# KiCad board Final H00 panelicad_pcb.kicad_pcb
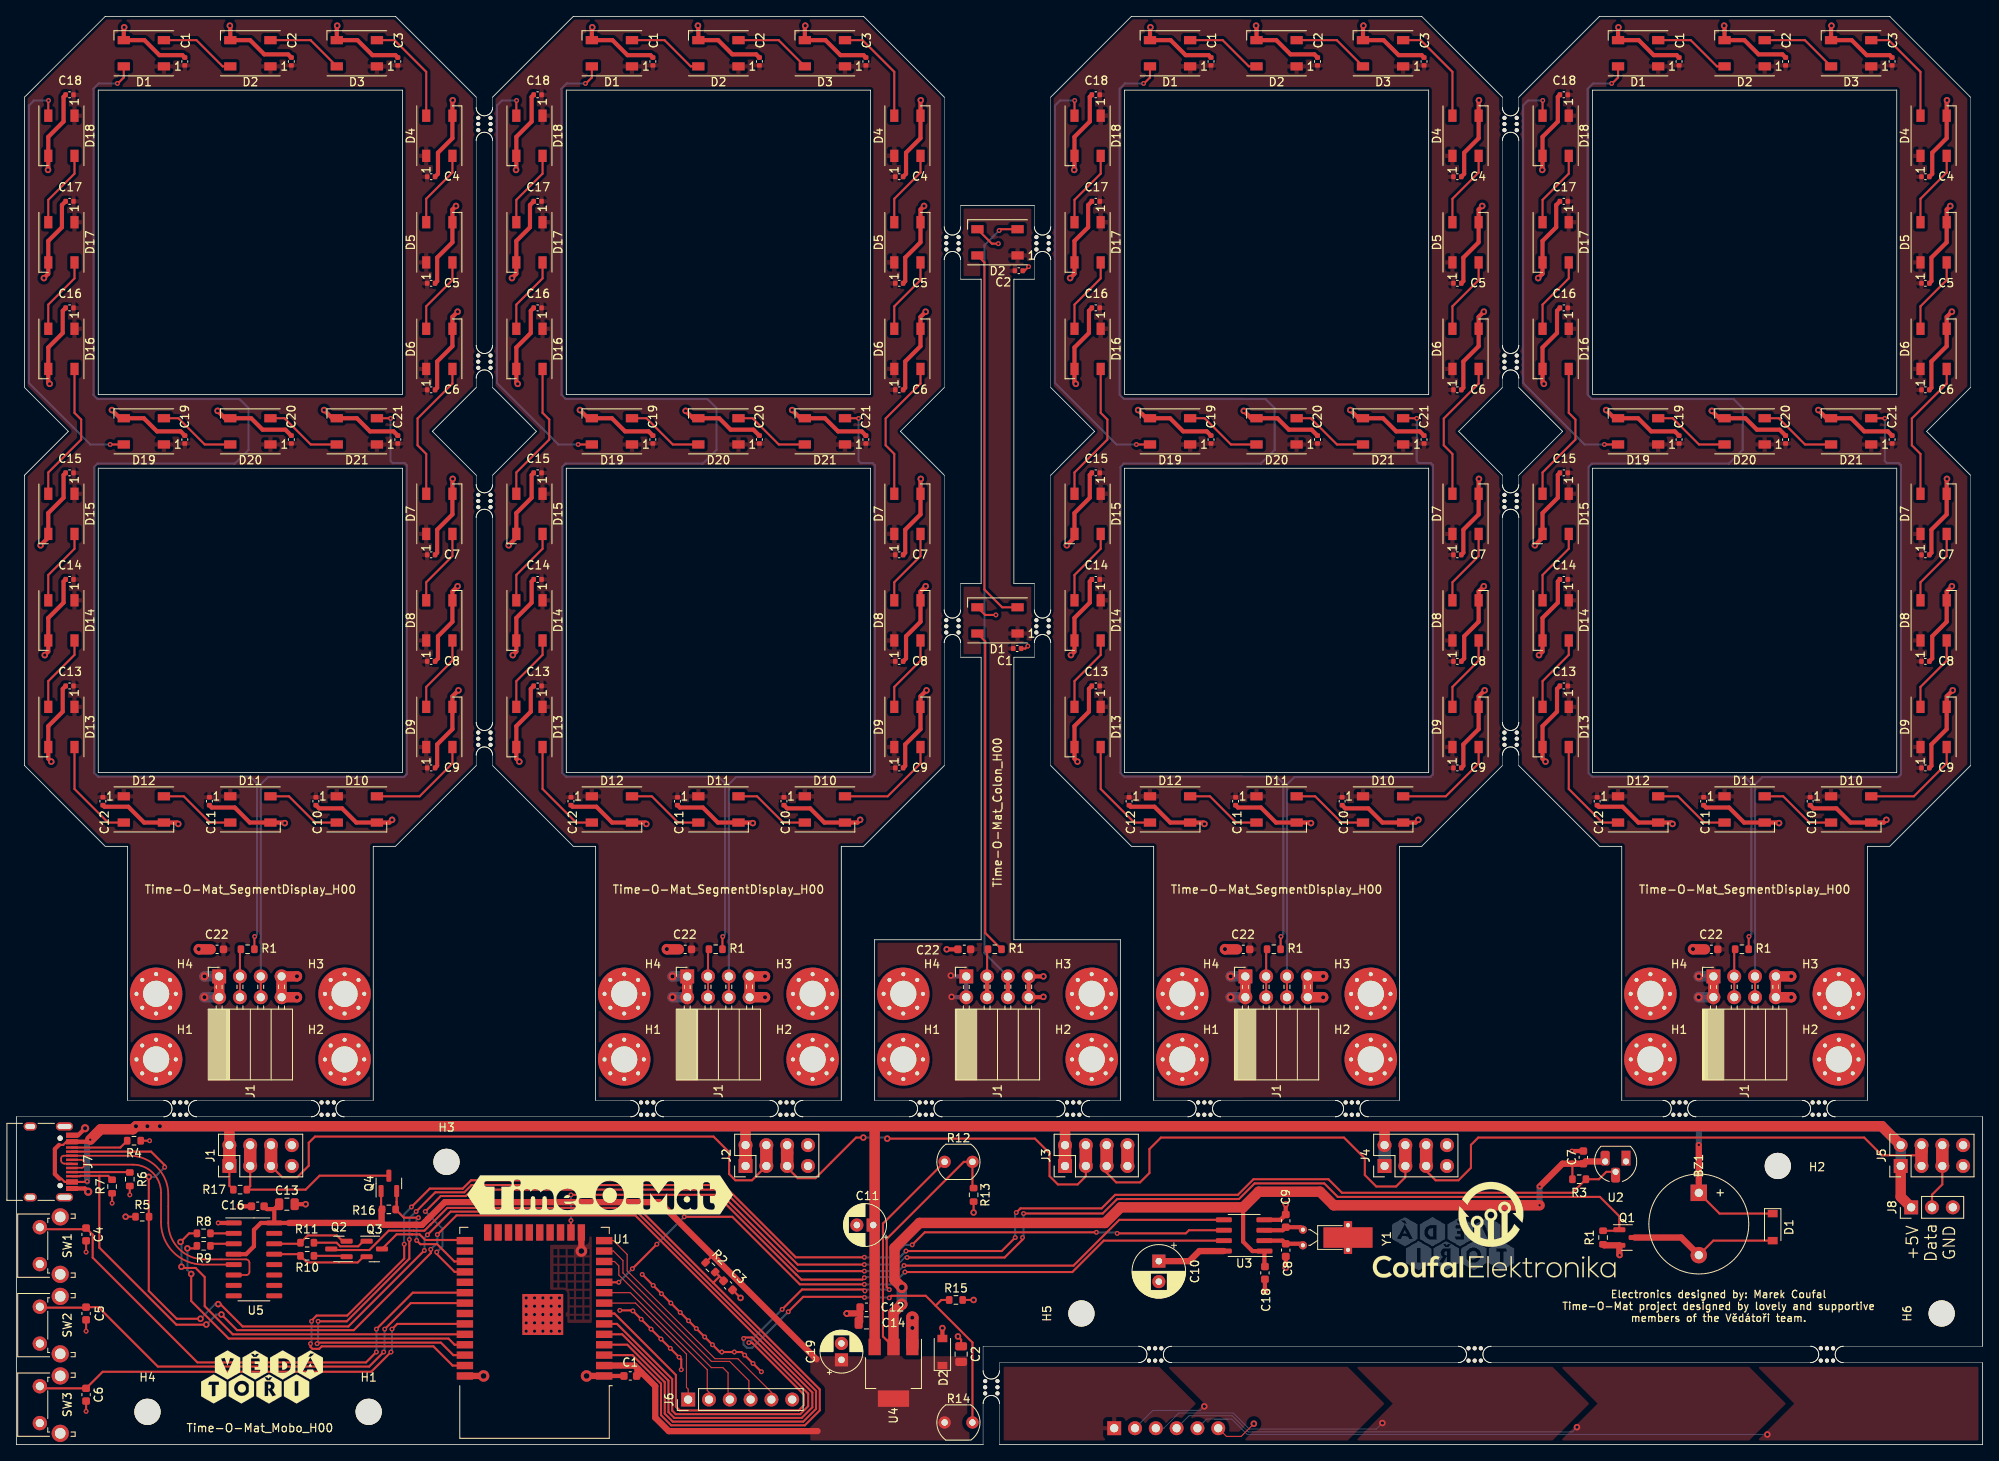
[diagram p0: board, top side]
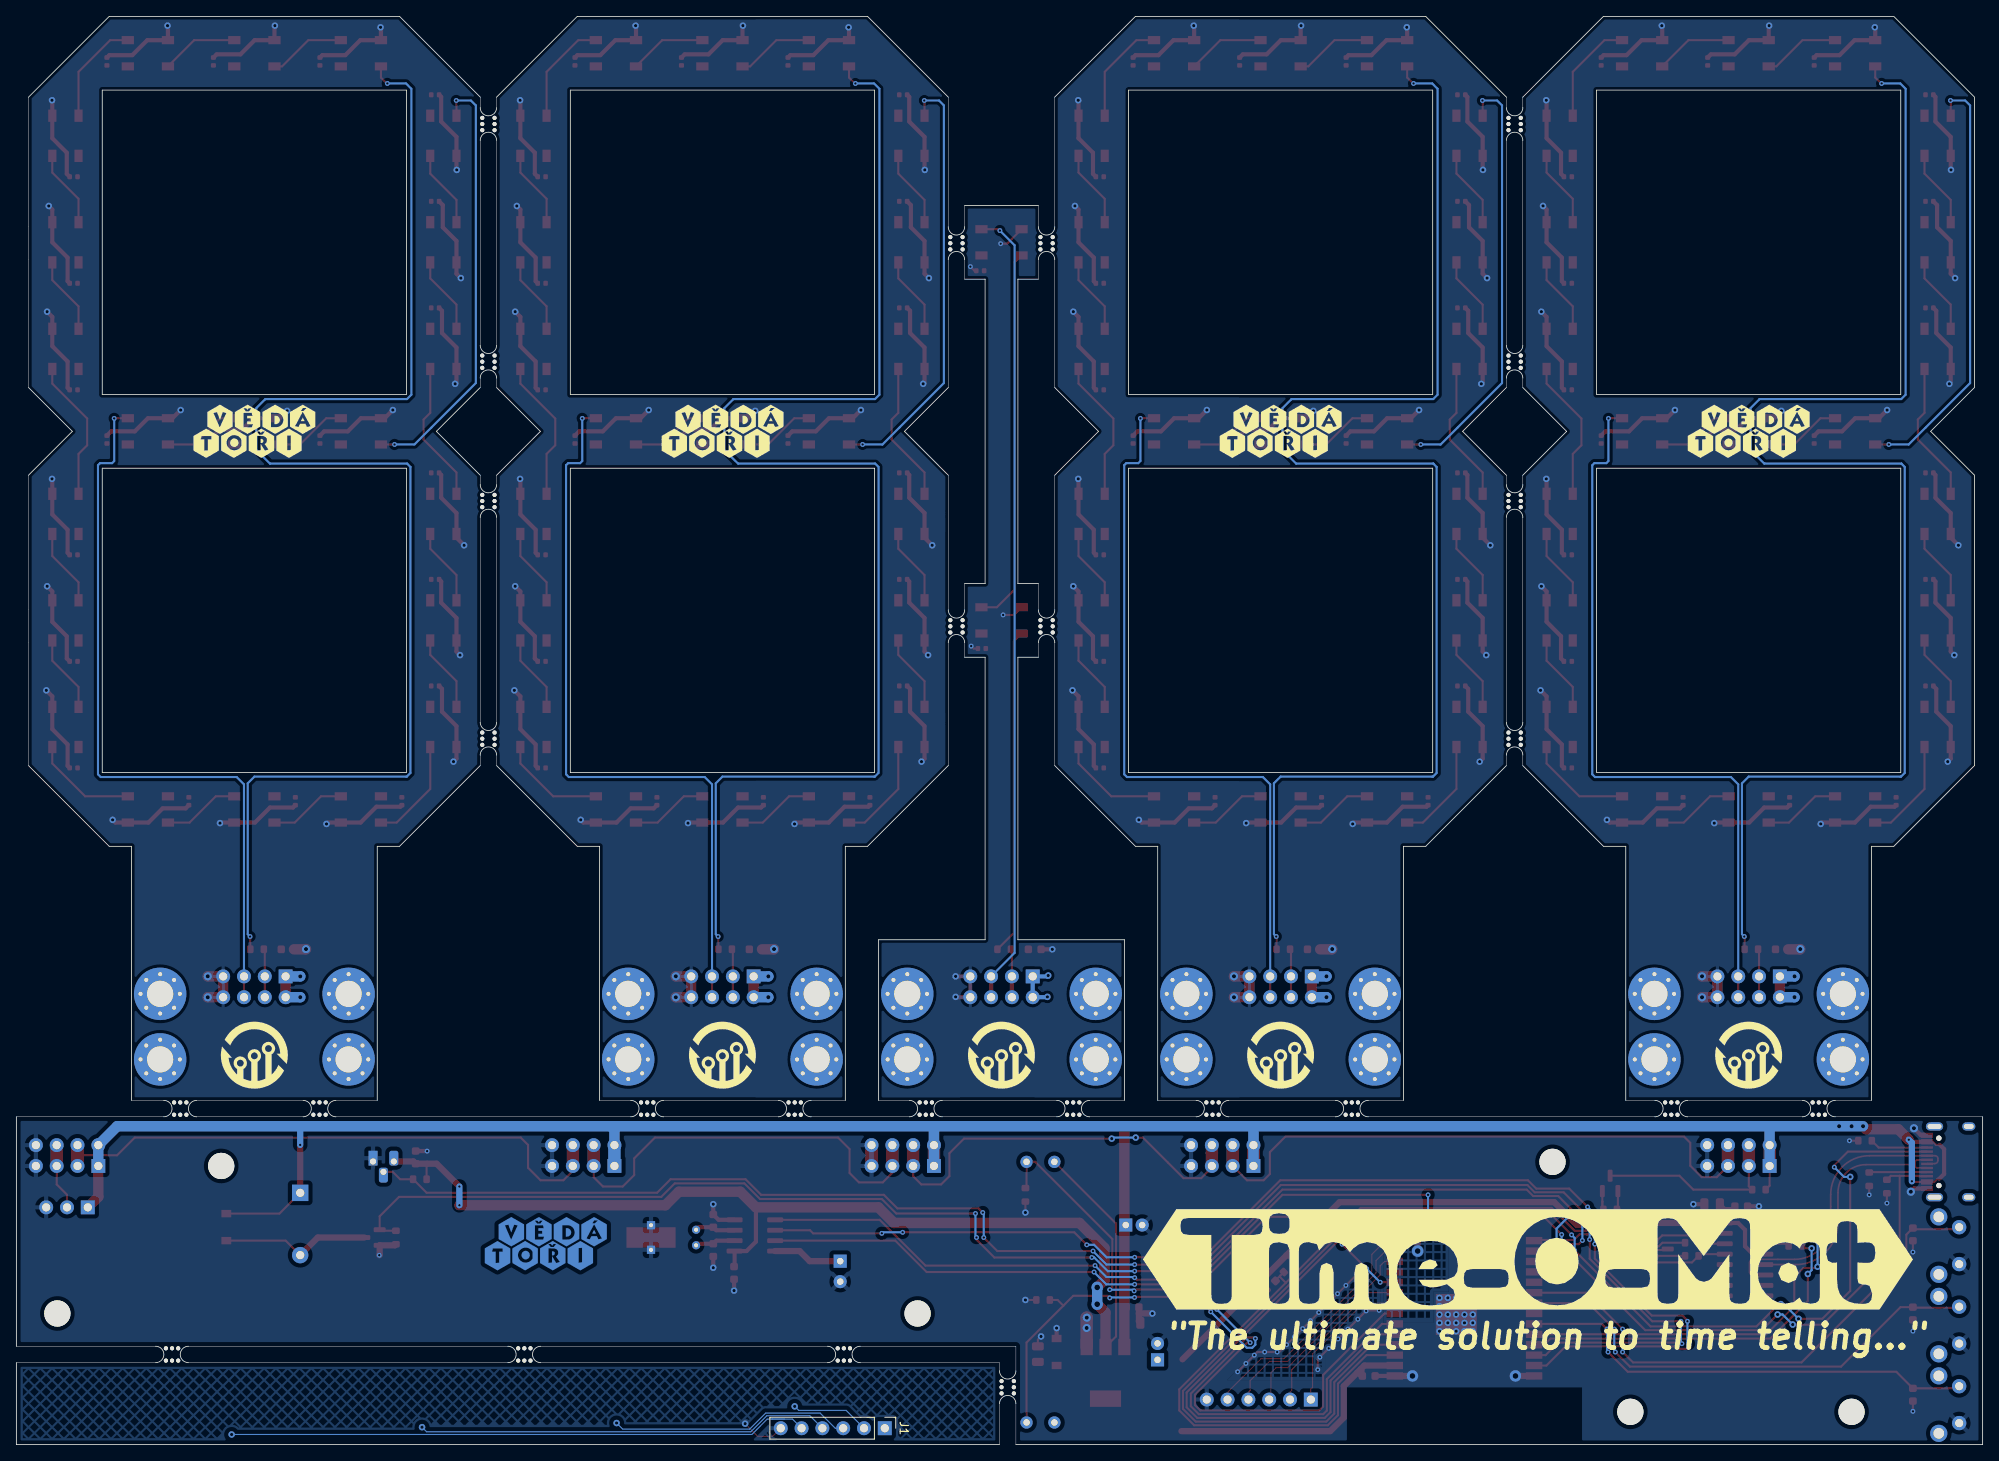
[diagram p1: board, bottom side, seen from below]

Outline 240 x 174.26 mm; copper layers: Top, Bottom. Coordinates in mm from the lower left corner of the outline.
Outline path: 18,40 0,40 0,0 118,0 118,5 ; 18,42 13.56,42 13.56,73 10.84,73 0.99,82.85 0.99,118.28 6.34,123.63 0.99,128.98 0.99,164.41 10.84,174.26 46.28,174.26 56.12,164.41 56.12,163.13 ; 22,42 36,42 ; 22,40 36,40 ; 40,40 75,40 ; 40,42 43.56,42 43.56,73 46.28,73 56.12,82.85 56.12,84.13 ; 56.12,117.13 56.12,118.28 50.78,123.63 56.12,128.98 56.12,130.13 ; 56.12,134.13 56.12,159.13 ; 56.12,113.13 56.12,88.13 ; 58.12,163.13 58.12,164.41 67.97,174.26 103.41,174.26 113.26,164.41 113.26,148.58 ; 58.12,159.13 58.12,134.13 ; 58.12,88.13 58.12,113.13 ; 58.12,130.13 58.12,128.98 63.47,123.63 58.12,118.28 58.12,117.13 ; 58.12,84.13 58.12,82.85 67.97,73 70.69,73 70.69,42 75,42 ; 79,40 92,40 ; 92,42 79,42 ; 96,40 109,40 ; 96,42 100.69,42 100.69,73 103.41,73 113.26,82.85 113.25,97.84 ; 109,42 104.76,42 104.76,61.6 117.76,61.6 117.76,96.07 115.26,96.07 115.25,97.84 ; 113,42 127,42 ; 113,40 127,40 ; 113.25,101.84 113.26,118.28 107.91,123.63 113.26,128.98 113.26,144.58 ; 115.26,148.58 115.26,151.2 124.26,151.2 124.26,148.58 ; 115.26,144.58 115.26,142.2 117.76,142.2 117.76,105.07 115.26,105.07 115.25,101.84 ; 118,9 118,12 137,12 ; 120,9 120,10 137,10 ; 120,5 120,0 240,0 240,10 223,10 ; 124.26,144.58 124.26,142.2 121.76,142.2 121.76,105.07 124.26,105.07 124.25,101.84 ; 124.25,97.84 124.26,96.07 121.76,96.07 121.76,61.6 134.76,61.6 134.76,42 131,42 ; 126.26,148.58 126.25,164.41 136.1,174.26 171.54,174.26 181.38,164.41 181.38,163.13 ; 126.26,144.58 126.25,128.98 131.6,123.63 126.25,118.28 126.25,101.84 ; 126.25,97.84 126.25,82.85 136.1,73 138.82,73 138.82,42 143,42 ; 131,40 143,40 ; 141,10 176,10 ; 147,42 161,42 ; 147,40 161,40 ; 165,40 201,40 ; 165,42 168.82,42 168.82,73 171.54,73 181.38,82.85 181.38,84.13 ; 176,12 141,12 ; 180,10 219,10 ; 181.38,117.13 181.38,118.28 176.04,123.63 181.38,128.98 181.38,130.13 ; 181.38,134.13 181.38,159.13 ; 181.38,113.13 181.38,88.13 ; 183.38,163.13 183.38,164.41 193.23,174.26 228.67,174.26 238.52,164.41 238.52,148.58 238.52,144.58 238.52,128.98 233.17,123.63 238.52,118.28 238.51,101.84 238.51,97.84 238.52,82.85 228.67,73 225.95,73 225.95,42 222,42 ; 183.38,159.13 183.38,134.13 ; 183.38,88.13 183.38,113.13 ; 183.38,130.13 183.38,128.98 188.73,123.63 183.38,118.28 183.38,117.13 ; 183.38,84.13 183.38,82.85 193.23,73 195.95,73 195.95,42 201,42 ; 205,42 218,42 ; 205,40 218,40 ; 219,12 180,12 ; 222,40 240,40 240,12 223,12 ; 9.99,128.13 9.99,165.26 47.12,165.26 47.12,128.13 9.99,128.13 ; 9.99,119.13 9.99,82 47.12,82 47.12,119.13 9.99,119.13 ; 67.12,128.13 67.12,165.26 104.26,165.26 104.26,128.13 67.12,128.13 ; 67.12,119.13 67.12,82 104.26,82 104.26,119.13 67.12,119.13 ; 135.25,128.13 135.25,165.26 172.38,165.26 172.38,128.13 135.25,128.13 ; 135.25,119.13 135.25,82 172.38,82 172.38,119.13 135.25,119.13 ; 192.38,128.13 192.38,165.26 229.52,165.26 229.52,128.13 192.38,128.13 ; 192.38,119.13 192.38,82 229.52,82 229.52,119.13 192.38,119.13
Stack: Top 0.035mm / dielectric 1.51mm FR4 er 4.5 / Bottom 0.035mm

## Placement (name value [footprint] x y rotation side)
BZ1  Buzzer  [Buzzer_12x9.5RM7.6]  205.36 30.72 270 top
C1  100nF  [C_0402_1005Metric]  122.16 97.13 0 top
C1#2  100nF  [C_0402_1005Metric]  77.69 168.76 90 top
C1#3  100nF  [C_0402_1005Metric]  20.56 168.76 90 top
C1#4  100nF  [C_0402_1005Metric]  145.82 168.76 90 top
C1#5  100nF  [C_0402_1005Metric]  202.95 168.76 90 top
C1#6  100n  [C_0603_1608Metric]  74.93 8.38 180 top
C2  100nF  [C_0402_1005Metric]  215.95 168.76 90 top
C2#2  100nF  [C_0402_1005Metric]  122.36 143.23 0 top
C2#3  100nF  [C_0402_1005Metric]  33.56 168.76 90 top
C2#4  100nF  [C_0402_1005Metric]  158.82 168.76 90 top
C2#5  10u  [C_0805_2012Metric]  115.32 11.04 90 top
C2#6  100nF  [C_0402_1005Metric]  90.69 168.76 90 top
C3  100nF  [C_0402_1005Metric]  103.69 168.76 90 top
C3#2  100nF  [C_0402_1005Metric]  171.82 168.76 90 top
C3#3  100nF  [C_0402_1005Metric]  228.95 168.76 90 top
C3#4  1u  [C_0603_1608Metric]  86.87 19.43 135 top
C3#5  100nF  [C_0402_1005Metric]  46.56 168.76 90 top
C4  100nF  [C_0402_1005Metric]  233.02 154.7 0 top
C4#2  100n  [C_0603_1608Metric]  8.51 25.65 90 top
C4#3  100nF  [C_0402_1005Metric]  107.76 154.7 0 top
C4#4  100nF  [C_0402_1005Metric]  50.62 154.7 0 top
C4#5  100nF  [C_0402_1005Metric]  175.88 154.7 0 top
C5  100n  [C_0603_1608Metric]  8.51 16 90 top
C5#2  100nF  [C_0402_1005Metric]  175.88 141.7 0 top
C5#3  100nF  [C_0402_1005Metric]  50.62 141.7 0 top
C5#4  100nF  [C_0402_1005Metric]  233.02 141.7 0 top
C5#5  100nF  [C_0402_1005Metric]  107.76 141.7 0 top
C6  100n  [C_0603_1608Metric]  8.51 6.09 90 top
C6#2  100nF  [C_0402_1005Metric]  233.02 128.7 0 top
C6#3  100nF  [C_0402_1005Metric]  50.62 128.7 0 top
C6#4  100nF  [C_0402_1005Metric]  175.88 128.7 0 top
C6#5  100nF  [C_0402_1005Metric]  107.76 128.7 0 top
C7  100nF  [C_0402_1005Metric]  50.62 108.57 0 top
C7#2  100nF  [C_0402_1005Metric]  233.02 108.57 0 top
C7#3  100nF  [C_0402_1005Metric]  107.76 108.57 0 top
C7#4  100nF  [C_0402_1005Metric]  175.88 108.57 0 top
C7#5  100n  [C_0603_1608Metric]  191.26 35.05 90 top
C8  100nF  [C_0402_1005Metric]  233.02 95.57 0 top
C8#2  100nF  [C_0402_1005Metric]  175.88 95.57 0 top
C8#3  6pF  [C_0603_1608Metric]  154.94 23.73 270 top
C8#4  100nF  [C_0402_1005Metric]  107.76 95.57 0 top
C8#5  100nF  [C_0402_1005Metric]  50.62 95.57 0 top
C9  100nF  [C_0402_1005Metric]  107.76 82.57 0 top
C9#2  100nF  [C_0402_1005Metric]  50.62 82.57 0 top
C9#3  100nF  [C_0402_1005Metric]  175.88 82.57 0 top
C9#4  100nF  [C_0402_1005Metric]  233.02 82.57 0 top
C9#5  6pF  [C_0603_1608Metric]  154.94 27.3 90 top
C10  100nF  [C_0402_1005Metric]  218.95 78.5 270 top
C10#2  100nF  [C_0402_1005Metric]  93.69 78.5 270 top
C10#3  100nF  [C_0402_1005Metric]  161.82 78.5 270 top
C10#4  100nF  [C_0402_1005Metric]  36.56 78.5 270 top
C10#5  Supercap  [CP_Radial_D6.3mm_P2.50mm]  139.45 22.39 270 top
C11  100nF  [C_0402_1005Metric]  80.69 78.5 270 top
C11#2  100nF  [C_0402_1005Metric]  23.56 78.5 270 top
C11#3  100u  [CP_Radial_D5.0mm_P2.00mm]  104.59 26.79 180 top
C11#4  100nF  [C_0402_1005Metric]  148.82 78.5 270 top
C11#5  100nF  [C_0402_1005Metric]  205.95 78.5 270 top
C12  100nF  [C_0402_1005Metric]  10.56 78.5 270 top
C12#2  100nF  [C_0402_1005Metric]  67.69 78.5 270 top
C12#3  100nF  [C_0402_1005Metric]  192.95 78.5 270 top
C12#4  100n  [C_0603_1608Metric]  103.76 16.76 180 top
C12#5  100nF  [C_0402_1005Metric]  135.82 78.5 270 top
C13  100nF  [C_0402_1005Metric]  63.62 92.57 180 top
C13#2  100nF  [C_0402_1005Metric]  188.88 92.57 180 top
C13#3  100nF  [C_0402_1005Metric]  6.49 92.57 180 top
C13#4  100nF  [C_0402_1005Metric]  131.75 92.57 180 top
C13#5  10u  [C_0805_2012Metric]  33.02 29.33 0 top
C14  100nF  [C_0402_1005Metric]  188.88 105.57 180 top
C14#2  100nF  [C_0402_1005Metric]  63.62 105.57 180 top
C14#3  10u  [C_0805_2012Metric]  103.76 14.85 180 top
C14#4  100nF  [C_0402_1005Metric]  6.49 105.57 180 top
C14#5  100nF  [C_0402_1005Metric]  131.75 105.57 180 top
C15  100nF  [C_0402_1005Metric]  63.62 118.57 180 top
C15#2  100nF  [C_0402_1005Metric]  6.49 118.57 180 top
C15#3  100nF  [C_0402_1005Metric]  188.88 118.57 180 top
C15#4  100nF  [C_0402_1005Metric]  131.75 118.57 180 top
C16  100nF  [C_0402_1005Metric]  63.62 138.7 180 top
C16#2  100nF  [C_0402_1005Metric]  131.75 138.7 180 top
C16#3  100nF  [C_0402_1005Metric]  6.49 138.7 180 top
C16#4  100nF  [C_0402_1005Metric]  188.88 138.7 180 top
C16#5  100n  [C_0603_1608Metric]  29.46 29.08 180 top
C17  100nF  [C_0402_1005Metric]  188.88 151.7 180 top
C17#2  100nF  [C_0402_1005Metric]  131.75 151.7 180 top
C17#3  100nF  [C_0402_1005Metric]  63.62 151.7 180 top
C17#4  100nF  [C_0402_1005Metric]  6.49 151.7 180 top
C18  100nF  [C_0402_1005Metric]  6.49 164.7 180 top
C18#2  100nF  [C_0402_1005Metric]  63.62 164.7 180 top
C18#3  100nF  [C_0402_1005Metric]  131.75 164.7 180 top
C18#4  100nF  [C_0402_1005Metric]  188.88 164.7 180 top
C18#5  100n  [C_0603_1608Metric]  152.4 20.95 270 top
C19  100u  [CP_Radial_D5.0mm_P2.00mm]  100.71 10.34 90 top
C19#2  100nF  [C_0402_1005Metric]  77.69 122.63 90 top
C19#3  100nF  [C_0402_1005Metric]  202.95 122.63 90 top
C19#4  100nF  [C_0402_1005Metric]  145.82 122.63 90 top
C19#5  100nF  [C_0402_1005Metric]  20.56 122.63 90 top
C20  100nF  [C_0402_1005Metric]  33.56 122.63 90 top
C20#2  100nF  [C_0402_1005Metric]  158.82 122.63 90 top
C20#3  100nF  [C_0402_1005Metric]  215.95 122.63 90 top
C20#4  100nF  [C_0402_1005Metric]  90.69 122.63 90 top
C21  100nF  [C_0402_1005Metric]  46.56 122.63 90 top
C21#2  100nF  [C_0402_1005Metric]  228.95 122.63 90 top
C21#3  100nF  [C_0402_1005Metric]  103.69 122.63 90 top
C21#4  100nF  [C_0402_1005Metric]  171.82 122.63 90 top
C22  10uF  [C_0603_1608Metric]  149.76 60.43 180 top
C22#2  10uF  [C_0603_1608Metric]  115.7 60.43 180 top
C22#3  10uF  [C_0603_1608Metric]  206.89 60.43 180 top
C22#4  10uF  [C_0603_1608Metric]  81.64 60.43 180 top
C22#5  10uF  [C_0603_1608Metric]  24.5 60.43 180 top
D1  WS2812E  [LED_WS2812B_PLCC4_5.0x5.0mm_P3.2mm]  119.76 100.57 180 top
D1#2  WS2812E  [LED_WS2812B_PLCC4_5.0x5.0mm_P3.2mm]  72.69 169.76 180 top
D1#3  WS2812E  [LED_WS2812B_PLCC4_5.0x5.0mm_P3.2mm]  197.95 169.76 180 top
D1#4  WS2812E  [LED_WS2812B_PLCC4_5.0x5.0mm_P3.2mm]  15.56 169.76 180 top
D1#5  WS2812E  [LED_WS2812B_PLCC4_5.0x5.0mm_P3.2mm]  140.82 169.76 180 top
D1#6  B5819W  [D_SOD-123]  214.38 26.54 270 top
D2  WS2812E  [LED_WS2812B_PLCC4_5.0x5.0mm_P3.2mm]  153.82 169.76 180 top
D2#2  WS2812E  [LED_WS2812B_PLCC4_5.0x5.0mm_P3.2mm]  28.56 169.76 180 top
D2#3  B5819W  [D_SOD-123]  113.03 11.3 90 top
D2#4  WS2812E  [LED_WS2812B_PLCC4_5.0x5.0mm_P3.2mm]  85.69 169.76 180 top
D2#5  WS2812E  [LED_WS2812B_PLCC4_5.0x5.0mm_P3.2mm]  119.76 146.7 180 top
D2#6  WS2812E  [LED_WS2812B_PLCC4_5.0x5.0mm_P3.2mm]  210.95 169.76 180 top
D3  WS2812E  [LED_WS2812B_PLCC4_5.0x5.0mm_P3.2mm]  166.82 169.76 180 top
D3#2  WS2812E  [LED_WS2812B_PLCC4_5.0x5.0mm_P3.2mm]  223.95 169.76 180 top
D3#3  WS2812E  [LED_WS2812B_PLCC4_5.0x5.0mm_P3.2mm]  41.56 169.76 180 top
D3#4  WS2812E  [LED_WS2812B_PLCC4_5.0x5.0mm_P3.2mm]  98.69 169.76 180 top
D4  WS2812E  [LED_WS2812B_PLCC4_5.0x5.0mm_P3.2mm]  234.02 159.7 90 top
D4#2  WS2812E  [LED_WS2812B_PLCC4_5.0x5.0mm_P3.2mm]  108.76 159.7 90 top
D4#3  WS2812E  [LED_WS2812B_PLCC4_5.0x5.0mm_P3.2mm]  51.62 159.7 90 top
D4#4  WS2812E  [LED_WS2812B_PLCC4_5.0x5.0mm_P3.2mm]  176.88 159.7 90 top
D5  WS2812E  [LED_WS2812B_PLCC4_5.0x5.0mm_P3.2mm]  234.02 146.7 90 top
D5#2  WS2812E  [LED_WS2812B_PLCC4_5.0x5.0mm_P3.2mm]  176.88 146.7 90 top
D5#3  WS2812E  [LED_WS2812B_PLCC4_5.0x5.0mm_P3.2mm]  51.62 146.7 90 top
D5#4  WS2812E  [LED_WS2812B_PLCC4_5.0x5.0mm_P3.2mm]  108.76 146.7 90 top
D6  WS2812E  [LED_WS2812B_PLCC4_5.0x5.0mm_P3.2mm]  108.76 133.7 90 top
D6#2  WS2812E  [LED_WS2812B_PLCC4_5.0x5.0mm_P3.2mm]  234.02 133.7 90 top
D6#3  WS2812E  [LED_WS2812B_PLCC4_5.0x5.0mm_P3.2mm]  51.62 133.7 90 top
D6#4  WS2812E  [LED_WS2812B_PLCC4_5.0x5.0mm_P3.2mm]  176.88 133.7 90 top
D7  WS2812E  [LED_WS2812B_PLCC4_5.0x5.0mm_P3.2mm]  176.88 113.57 90 top
D7#2  WS2812E  [LED_WS2812B_PLCC4_5.0x5.0mm_P3.2mm]  51.62 113.57 90 top
D7#3  WS2812E  [LED_WS2812B_PLCC4_5.0x5.0mm_P3.2mm]  108.76 113.57 90 top
D7#4  WS2812E  [LED_WS2812B_PLCC4_5.0x5.0mm_P3.2mm]  234.02 113.57 90 top
D8  WS2812E  [LED_WS2812B_PLCC4_5.0x5.0mm_P3.2mm]  176.88 100.57 90 top
D8#2  WS2812E  [LED_WS2812B_PLCC4_5.0x5.0mm_P3.2mm]  51.62 100.57 90 top
D8#3  WS2812E  [LED_WS2812B_PLCC4_5.0x5.0mm_P3.2mm]  108.76 100.57 90 top
D8#4  WS2812E  [LED_WS2812B_PLCC4_5.0x5.0mm_P3.2mm]  234.02 100.57 90 top
D9  WS2812E  [LED_WS2812B_PLCC4_5.0x5.0mm_P3.2mm]  51.62 87.57 90 top
D9#2  WS2812E  [LED_WS2812B_PLCC4_5.0x5.0mm_P3.2mm]  108.76 87.57 90 top
D9#3  WS2812E  [LED_WS2812B_PLCC4_5.0x5.0mm_P3.2mm]  234.02 87.57 90 top
D9#4  WS2812E  [LED_WS2812B_PLCC4_5.0x5.0mm_P3.2mm]  176.88 87.57 90 top
D10  WS2812E  [LED_WS2812B_PLCC4_5.0x5.0mm_P3.2mm]  223.95 77.5 0 top
D10#2  WS2812E  [LED_WS2812B_PLCC4_5.0x5.0mm_P3.2mm]  41.56 77.5 0 top
D10#3  WS2812E  [LED_WS2812B_PLCC4_5.0x5.0mm_P3.2mm]  98.69 77.5 0 top
D10#4  WS2812E  [LED_WS2812B_PLCC4_5.0x5.0mm_P3.2mm]  166.82 77.5 0 top
D11  WS2812E  [LED_WS2812B_PLCC4_5.0x5.0mm_P3.2mm]  85.69 77.5 0 top
D11#2  WS2812E  [LED_WS2812B_PLCC4_5.0x5.0mm_P3.2mm]  153.82 77.5 0 top
D11#3  WS2812E  [LED_WS2812B_PLCC4_5.0x5.0mm_P3.2mm]  28.56 77.5 0 top
D11#4  WS2812E  [LED_WS2812B_PLCC4_5.0x5.0mm_P3.2mm]  210.95 77.5 0 top
D12  WS2812E  [LED_WS2812B_PLCC4_5.0x5.0mm_P3.2mm]  140.82 77.5 0 top
D12#2  WS2812E  [LED_WS2812B_PLCC4_5.0x5.0mm_P3.2mm]  72.69 77.5 0 top
D12#3  WS2812E  [LED_WS2812B_PLCC4_5.0x5.0mm_P3.2mm]  15.56 77.5 0 top
D12#4  WS2812E  [LED_WS2812B_PLCC4_5.0x5.0mm_P3.2mm]  197.95 77.5 0 top
D13  WS2812E  [LED_WS2812B_PLCC4_5.0x5.0mm_P3.2mm]  187.88 87.57 270 top
D13#2  WS2812E  [LED_WS2812B_PLCC4_5.0x5.0mm_P3.2mm]  62.62 87.57 270 top
D13#3  WS2812E  [LED_WS2812B_PLCC4_5.0x5.0mm_P3.2mm]  130.75 87.57 270 top
D13#4  WS2812E  [LED_WS2812B_PLCC4_5.0x5.0mm_P3.2mm]  5.49 87.57 270 top
D14  WS2812E  [LED_WS2812B_PLCC4_5.0x5.0mm_P3.2mm]  187.88 100.57 270 top
D14#2  WS2812E  [LED_WS2812B_PLCC4_5.0x5.0mm_P3.2mm]  130.75 100.57 270 top
D14#3  WS2812E  [LED_WS2812B_PLCC4_5.0x5.0mm_P3.2mm]  62.62 100.57 270 top
D14#4  WS2812E  [LED_WS2812B_PLCC4_5.0x5.0mm_P3.2mm]  5.49 100.57 270 top
D15  WS2812E  [LED_WS2812B_PLCC4_5.0x5.0mm_P3.2mm]  62.62 113.57 270 top
D15#2  WS2812E  [LED_WS2812B_PLCC4_5.0x5.0mm_P3.2mm]  187.88 113.57 270 top
D15#3  WS2812E  [LED_WS2812B_PLCC4_5.0x5.0mm_P3.2mm]  5.49 113.57 270 top
D15#4  WS2812E  [LED_WS2812B_PLCC4_5.0x5.0mm_P3.2mm]  130.75 113.57 270 top
D16  WS2812E  [LED_WS2812B_PLCC4_5.0x5.0mm_P3.2mm]  5.49 133.7 270 top
D16#2  WS2812E  [LED_WS2812B_PLCC4_5.0x5.0mm_P3.2mm]  62.62 133.7 270 top
D16#3  WS2812E  [LED_WS2812B_PLCC4_5.0x5.0mm_P3.2mm]  187.88 133.7 270 top
D16#4  WS2812E  [LED_WS2812B_PLCC4_5.0x5.0mm_P3.2mm]  130.75 133.7 270 top
D17  WS2812E  [LED_WS2812B_PLCC4_5.0x5.0mm_P3.2mm]  187.88 146.7 270 top
D17#2  WS2812E  [LED_WS2812B_PLCC4_5.0x5.0mm_P3.2mm]  62.62 146.7 270 top
D17#3  WS2812E  [LED_WS2812B_PLCC4_5.0x5.0mm_P3.2mm]  130.75 146.7 270 top
D17#4  WS2812E  [LED_WS2812B_PLCC4_5.0x5.0mm_P3.2mm]  5.49 146.7 270 top
D18  WS2812E  [LED_WS2812B_PLCC4_5.0x5.0mm_P3.2mm]  187.88 159.7 270 top
D18#2  WS2812E  [LED_WS2812B_PLCC4_5.0x5.0mm_P3.2mm]  62.62 159.7 270 top
D18#3  WS2812E  [LED_WS2812B_PLCC4_5.0x5.0mm_P3.2mm]  5.49 159.7 270 top
D18#4  WS2812E  [LED_WS2812B_PLCC4_5.0x5.0mm_P3.2mm]  130.75 159.7 270 top
D19  WS2812E  [LED_WS2812B_PLCC4_5.0x5.0mm_P3.2mm]  15.56 123.63 180 top
D19#2  WS2812E  [LED_WS2812B_PLCC4_5.0x5.0mm_P3.2mm]  197.95 123.63 180 top
D19#3  WS2812E  [LED_WS2812B_PLCC4_5.0x5.0mm_P3.2mm]  140.82 123.63 180 top
D19#4  WS2812E  [LED_WS2812B_PLCC4_5.0x5.0mm_P3.2mm]  72.69 123.63 180 top
D20  WS2812E  [LED_WS2812B_PLCC4_5.0x5.0mm_P3.2mm]  210.95 123.63 180 top
D20#2  WS2812E  [LED_WS2812B_PLCC4_5.0x5.0mm_P3.2mm]  28.56 123.63 180 top
D20#3  WS2812E  [LED_WS2812B_PLCC4_5.0x5.0mm_P3.2mm]  85.69 123.63 180 top
D20#4  WS2812E  [LED_WS2812B_PLCC4_5.0x5.0mm_P3.2mm]  153.82 123.63 180 top
D21  WS2812E  [LED_WS2812B_PLCC4_5.0x5.0mm_P3.2mm]  98.69 123.63 180 top
D21#2  WS2812E  [LED_WS2812B_PLCC4_5.0x5.0mm_P3.2mm]  223.95 123.63 180 top
D21#3  WS2812E  [LED_WS2812B_PLCC4_5.0x5.0mm_P3.2mm]  166.82 123.63 180 top
D21#4  WS2812E  [LED_WS2812B_PLCC4_5.0x5.0mm_P3.2mm]  41.56 123.63 180 top
G1  CoufalElektronika_logo  [Coufal_elektronika_text_30x13mm]  180.47 25.65 0 top
G1#2  Vedatori_logo  [Vedatori_15mm]  28.56 123.63 180 bottom
G1#3  Vedatori_logo  [Vedatori_15mm]  85.69 123.63 180 bottom
G1#4  Vedatori_logo  [Vedatori_15mm]  210.95 123.63 180 bottom
G1#5  Vedatori_logo  [Vedatori_15mm]  153.82 123.63 180 bottom
G2  CoufalElektronika_logo  [Coufal_elektronika_notext_10mm]  153.82 47.43 180 bottom
G2#2  CoufalElektronika_logo  [Coufal_elektronika_notext_10mm]  119.76 47.43 180 bottom
G2#3  CoufalElektronika_logo  [Coufal_elektronika_notext_10mm]  210.95 47.43 180 bottom
G2#4  Vedatori_logo  [Vedatori_copper_exposed_15mm]  175.39 24.51 180 bottom
G2#5  CoufalElektronika_logo  [Coufal_elektronika_notext_10mm]  28.56 47.43 180 bottom
G2#6  CoufalElektronika_logo  [Coufal_elektronika_notext_10mm]  85.69 47.43 180 bottom
G3  Vedatori_logo  [Vedatori_15mm]  29.97 8.25 0 top
H1  MountingHole  [MountingHole_3.2mm_M3_Pad_Via]  199.45 47 0 top
H1#2  MountingHole  [MountingHole_3.2mm_M3_Pad_Via]  142.32 47 0 top
H1#3  MountingHole  [MountingHole_3.2mm_M3]  43 4 0 top
H1#4  MountingHole  [MountingHole_3.2mm_M3_Pad_Via]  17.06 47 0 top
H1#5  MountingHole  [MountingHole_3.2mm_M3_Pad_Via]  108.26 47 0 top
H1#6  MountingHole  [MountingHole_3.2mm_M3_Pad_Via]  74.19 47 0 top
H2  MountingHole  [MountingHole_3.2mm_M3_Pad_Via]  131.26 47 0 top
H2#2  MountingHole  [MountingHole_3.2mm_M3_Pad_Via]  40.06 47 0 top
H2#3  MountingHole  [MountingHole_3.2mm_M3_Pad_Via]  97.19 47 0 top
H2#4  MountingHole  [MountingHole_3.2mm_M3_Pad_Via]  165.32 47 0 top
H2#5  MountingHole  [MountingHole_3.2mm_M3_Pad_Via]  222.45 47 0 top
H2#6  MountingHole  [MountingHole_3.2mm_M3]  215 34 0 top
H3  MountingHole  [MountingHole_3.2mm_M3_Pad_Via]  131.26 55 0 top
H3#2  MountingHole  [MountingHole_3.2mm_M3_Pad_Via]  97.19 55 0 top
H3#3  MountingHole  [MountingHole_3.2mm_M3_Pad_Via]  222.45 55 0 top
H3#4  MountingHole  [MountingHole_3.2mm_M3_Pad_Via]  165.32 55 0 top
H3#5  MountingHole  [MountingHole_3.2mm_M3]  52.5 34.5 0 top
H3#6  MountingHole  [MountingHole_3.2mm_M3_Pad_Via]  40.06 55 0 top
H4  MountingHole  [MountingHole_3.2mm_M3_Pad_Via]  74.19 55 0 top
H4#2  MountingHole  [MountingHole_3.2mm_M3_Pad_Via]  17.06 55 0 top
H4#3  MountingHole  [MountingHole_3.2mm_M3]  16 4 0 top
H4#4  MountingHole  [MountingHole_3.2mm_M3_Pad_Via]  108.26 55 0 top
H4#5  MountingHole  [MountingHole_3.2mm_M3_Pad_Via]  199.45 55 0 top
H4#6  MountingHole  [MountingHole_3.2mm_M3_Pad_Via]  142.32 55 0 top
H5  MountingHole  [MountingHole_3.2mm_M3]  130 16 90 top
H6  MountingHole  [MountingHole_3.2mm_M3]  235 16 90 top
J1  Conn_02x04_Odd_Even  [PinHeader_2x04_P2.54mm_Vertical]  26 34 90 top
J1#2  Conn_02x04_Odd_Even  [PinSocket_2x04_P2.54mm_Horizontal]  81.88 57.13 90 top
J1#3  Conn_02x04_Odd_Even  [PinSocket_2x04_P2.54mm_Horizontal]  207.14 57.13 90 top
J1#4  Conn_02x04_Odd_Even  [PinSocket_2x04_P2.54mm_Horizontal]  24.75 57.13 90 top
J1#5  Conn_02x04_Odd_Even  [PinSocket_2x04_P2.54mm_Horizontal]  115.95 57.13 90 top
J1#6  Conn_02x04_Odd_Even  [PinSocket_2x04_P2.54mm_Horizontal]  150.01 57.13 90 top
J1#7  Conn_01x06_Male  [PinHeader_1x06_P2.54mm_Vertical]  134 2 270 bottom
J2  Conn_02x04_Odd_Even  [PinHeader_2x04_P2.54mm_Vertical]  89 34 90 top
J3  Conn_02x04_Odd_Even  [PinHeader_2x04_P2.54mm_Vertical]  128 34 90 top
J4  Conn_02x04_Odd_Even  [PinHeader_2x04_P2.54mm_Vertical]  167 34 90 top
J5  Conn_02x04_Odd_Even  [PinHeader_2x04_P2.54mm_Vertical]  230 34 90 top
J6  Conn_01x06_Male  [PinHeader_1x06_P2.54mm_Vertical]  82 5.5 90 top
J7  918-418K2023S40001  [USB_C_Receptacle_HRO_TYPE-C-31-M-12]  2.74 34.5 270 top
J8  Conn_01x03  [PinHeader_1x03_P2.54mm_Vertical]  231.28 28.95 90 top
kibuzzard-61E88A0E  G***  [kibuzzard-61E88A0E]  55.5 22.6 180 bottom
kibuzzard-61E8891A  G***  [kibuzzard-61E8891A]  71.25 30.48 0 top
mouse-bite-2mm-slot  VAL**  [mouse-bite-2mm-slot-edgecuts]  111 41 0 top
mouse-bite-2mm-slot#2  VAL**  [mouse-bite-2mm-slot-edgecuts]  94 41 0 top
mouse-bite-2mm-slot#3  VAL**  [mouse-bite-2mm-slot-edgecuts]  77 41 0 top
mouse-bite-2mm-slot#4  VAL**  [mouse-bite-2mm-slot-edgecuts]  20 41 0 top
mouse-bite-2mm-slot#5  VAL**  [mouse-bite-2mm-slot-edgecuts]  145 41 0 top